# Altium PCB HIL_RIG_REV_1_2.PcbDoc (part 6 of 14) (continued)
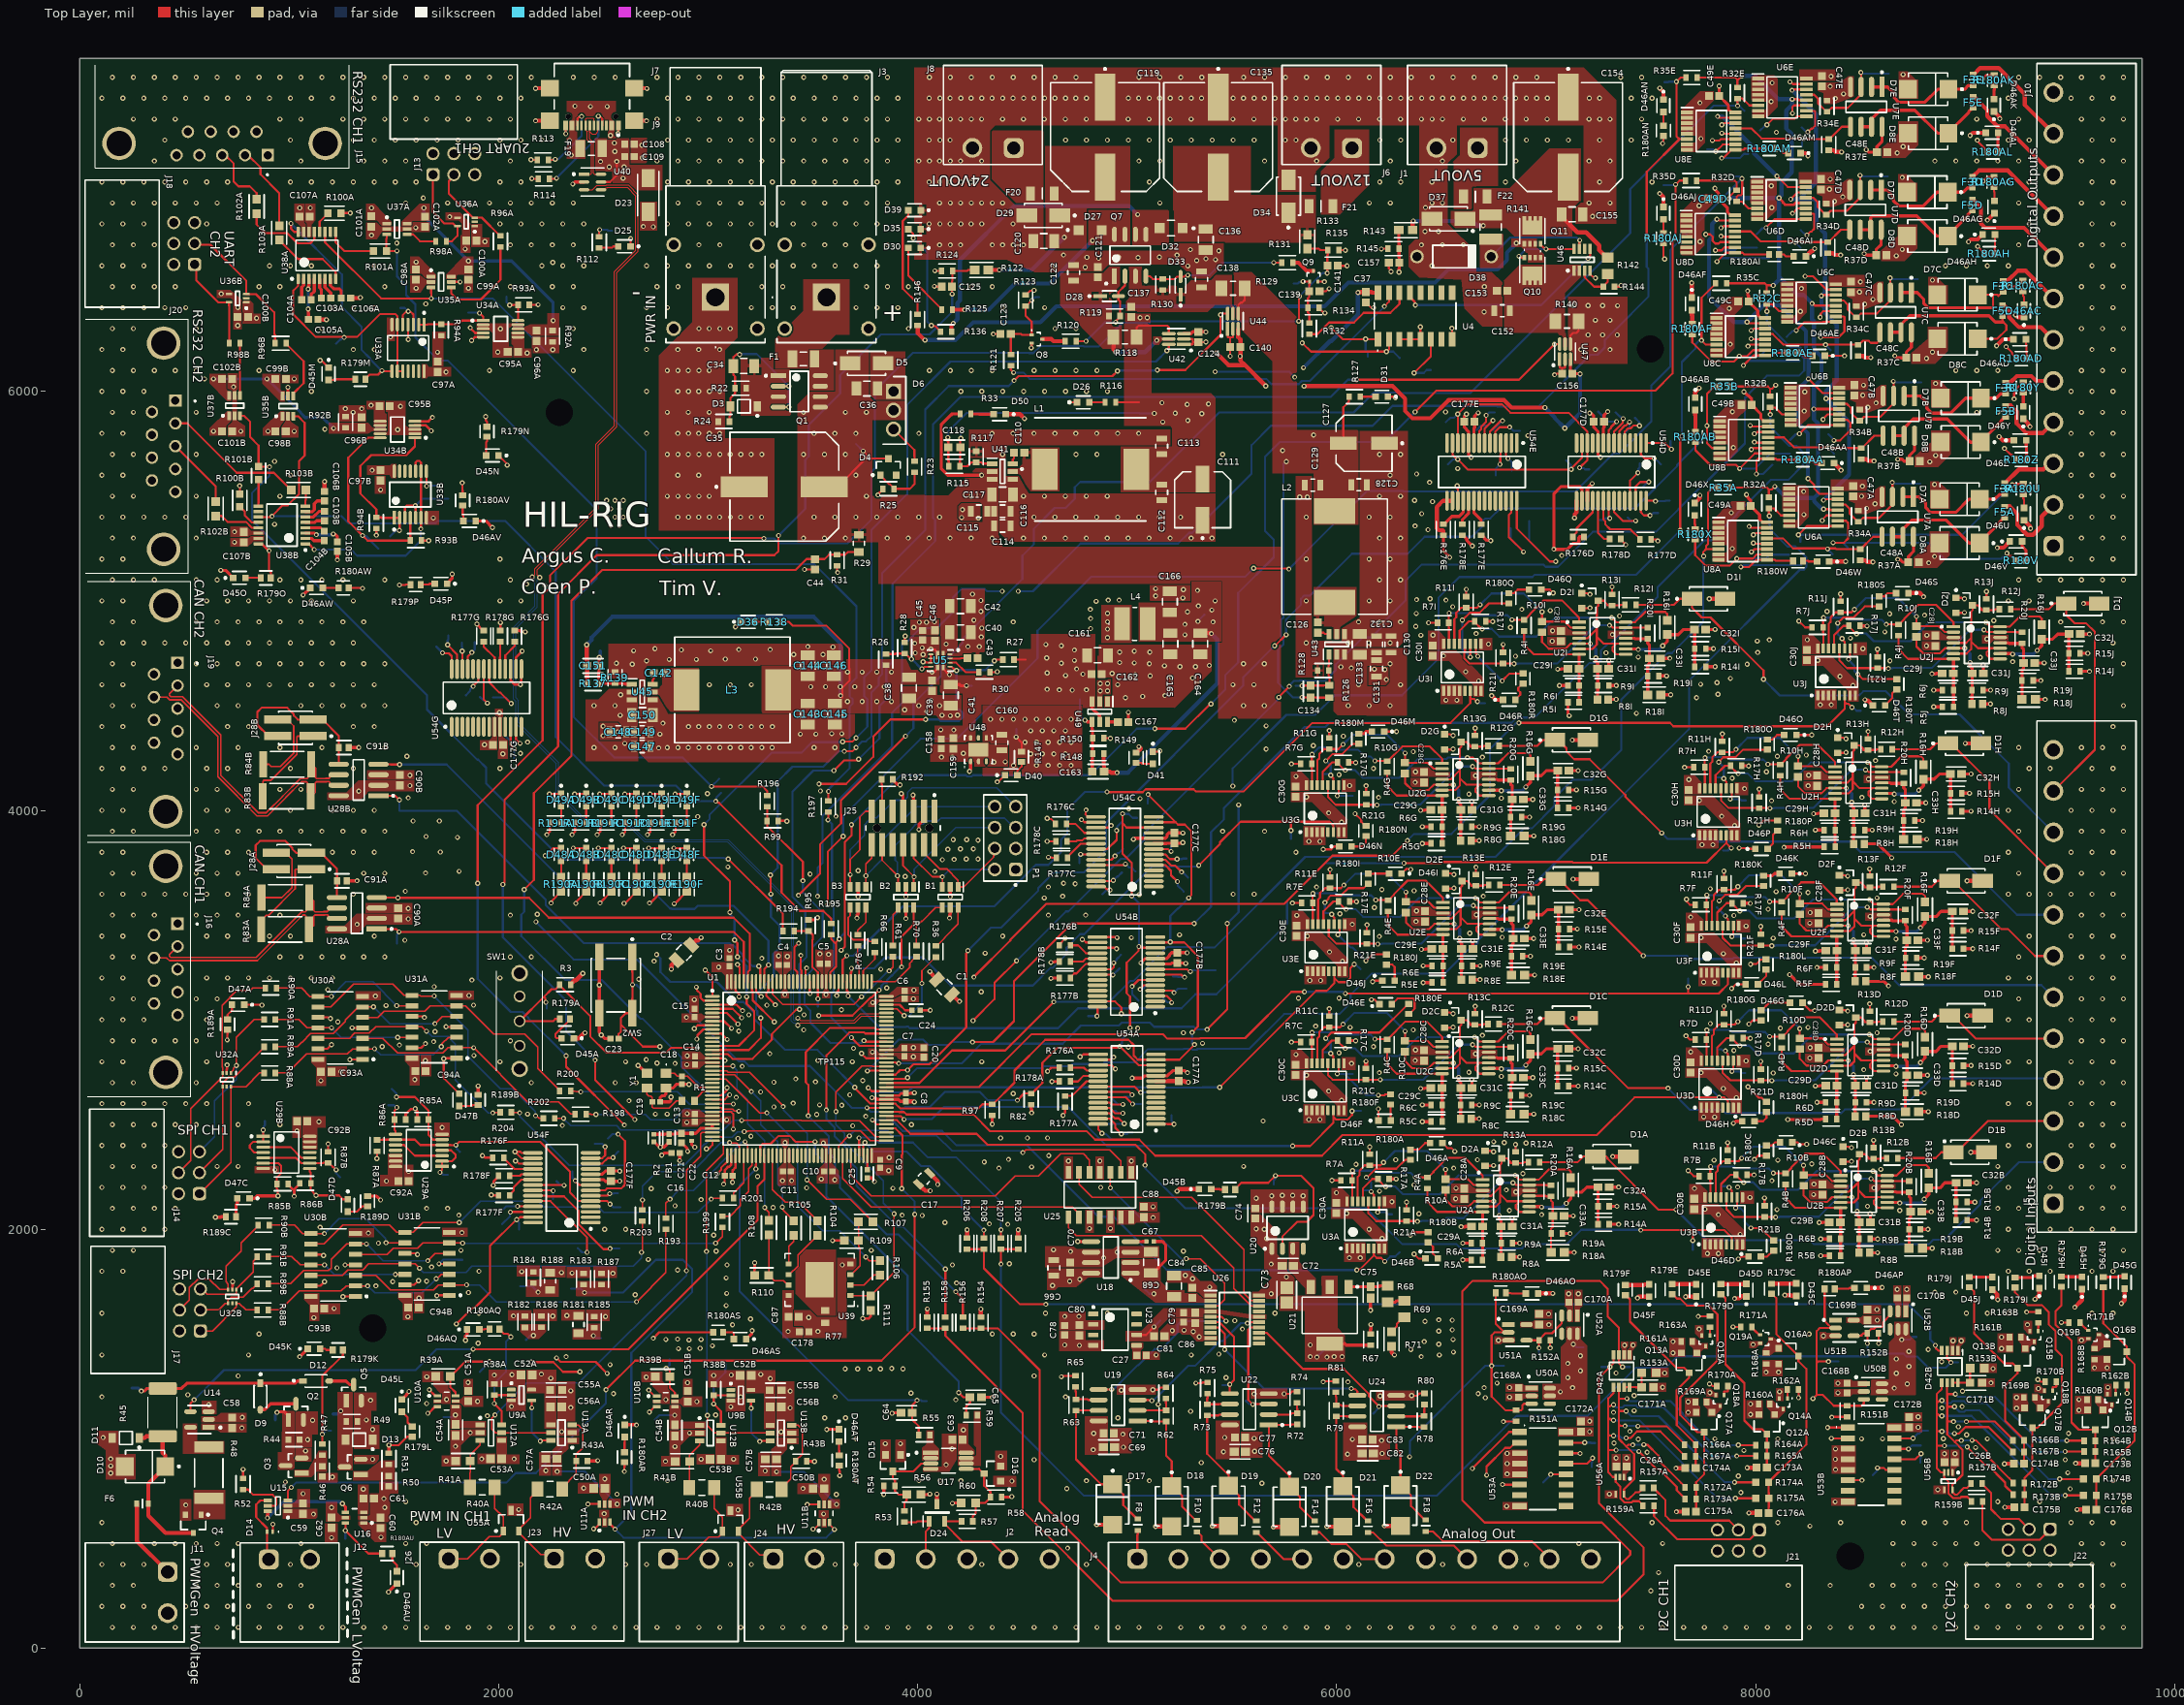
[diagram p0: Top Layer view]
## Nets (pads, with @x,y where several pads share a name; then routed paths per layer and width w, separated by ;. In a path a pad name is that pad's centre, name@x,y a point inside that pad or via, vN(x,y) a via of type N, cw(c..) or ccw(c..) an arc to the next point about the centre after c; other vN are vias at no path point) (continued)
  other v1: 7040,6225
5V_OUT_EN: TP71.1 U4.13 U46.5 | length 1035.9
  Top Layer w10: U4.13@6350,6471.58 6350,6450.91 6373.32,6427.59 6373.32,6414.68 v1(6376,6412) ; v1(7200,6635) 7200,6637.98 7210,6647.98 U46.5@7210,6680
  Bottom Layer w10: v1(6376,6412) 6977,6412 TP71.1@7085,6520 v1(7200,6635)
5V_OUT_shunted: C152.1 C153.2 Q10.5 Q10.6 Q10.7 Q10.8 Q10.9 R140.2 U46.1 U46.2 U47.5
5V_OUT_unfused: C154.2 C155.1 D37.1 F22.1 Q11.5 Q11.6 Q11.7 Q11.8 Q11.9 R141.2 R142.1 R143.2 | length 703.1
  Top Layer w20: R143.2@6362.56,6770 6362.56,6809.48 6366,6812.92 v1(6366,6814) ; C155.1@7074.77,6845 7074.77,6834.14 7149.89,6759.03 7191.15,6759.03 7253.37,6696.8 7253.37,6675.08 7289.08,6639.37 R142.1@7294,6639.37
  Bottom Layer w20: v1@6376,6814 6648.92,6814 6670.92,6792 v1(6700,6792) ; 6660.92,6802 6662,6802
5V_OUT_Volt_ADC: C157.2 R143.1 R145.1 U1.37 | length 7005.3
  Top Layer w10: v1(3043.75,2265.14) 3043.75,2265.73 3061.71,2283.69 3061.71,2293.27 3090.87,2322.42 U1.37@3090.87,2351.95
  Top Layer w15: R143.1@6297.44,6770 6297.44,6706.54 6298,6705.99 R145.1@6298,6682 6298,6641.31 6298.61,6640.7 C157.2@6298.61,6614 6298.61,6587.3 6298,6586.69 v1(6298,6570)
  Int3 (Sign) w10: v1(3043.75,2265.14) 3153.14,2265.14 3587.61,2699.61 3587.61,3204.36 3656.86,3273.61 3664.96,3273.61 3687,3295.64 3687,3316.36 3646.36,3357 3624.64,3357 3610,3342.35 3610,3337.58 3601.76,3329.33 3593.47,3329.33 3587.61,3335.19 3587.61,3458.54 3597,3467.93 3597,3562.36 3587.61,3571.74 3587.61,3923.78 3581.76,3929.64 3561.64,3929.64 3547,3944.29 3547,3965 3561.64,3979.64 3581.76,3979.64 3587.61,3985.5 3587.61,4068.9 3599,4080.29 3599,4101 3587.61,4112.38 3587.61,4157.61 3595,4165 3610.36,4165 3681,4235.64 3681,4500.64 3702.82,4522.47 3702.82,4523.18 3724.64,4545 3745.36,4545 3883,4545 3982,4644 4049.11,4644 4057.86,4635.25 4078.57,4635.25 4143.71,4700.39 4143.71,4721.06 4229.64,4807 4237,4807 4267.86,4837.86 4267.86,4846.14 4208,4906 4208,5244 4239,5275 4265.36,5275 4280,5289.64 4280,5316 4410,5446 5124,5446 5637,5959 5637,6036.36 5651.64,6051 5729,6051 5878.86,6200.86 5941.5,6200.86 6165.64,6425 6177,6425 6298,6546 v1(6298,6570)
5V_OV_detect: R142.2 R144.1 U46.3 | length 208.7
  Top Layer w10: U46.3@7184.41,6576.85 7184.41,6544.84 7229.24,6500 R144.1@7273.36,6500 7273.36,6503.02 7294,6523.66 R142.2@7294,6560.63
5V_RAIL_SMPS_EN: R27.1 TP14.1 U1.10 U5.9 | length 2992.2
  Top Layer w10: U1.10@3020,2934.63 3063.43,2934.63 3063.43,2933.35 v1(3090.75,2906.03) ; v1(3529.19,4125.95) 3657.95,4125.95 3788,4256 3788,4352 3870,4434 v1(4038,4434) ; U5.9@4153.49,4685.72 4161.37,4685.72 4170.39,4676.71 4172.62,4676.71 4181.75,4667.57 v1(4185.54,4667.57) ; v1(4366,4714) 4369.79,4714 4376.04,4720.25 R27.1@4403.69,4720.25
  Int3 (Sign) w10: v1(3090.75,2906.03) 3141.39,2906.03 3198.19,2962.83 3198.19,2990.88 3240.89,3033.58 3328.15,3033.58 3402.94,3108.37 3402.94,3313.02 3390,3325.95 3390,3589.52 3439.48,3639 3464.36,3639 3511,3685.64 3511,4107.76 v1(3529.19,4125.95)
  Bottom Layer w10: v1(4038,4434) 4100.64,4434 4107.64,4427 4197.73,4427 4215.47,4444.74 4215.47,4465.45 4200.83,4480.09 4191.4,4480.09 4185.54,4485.95 v1(4185.54,4667.57) 4187.93,4669.96 4322.93,4669.96 TP14.1@4343.22,4690.25 4366,4713.03 v1(4366,4714)
5V_REGULATED: C38.1 C39.2 C143.1 C144.1 C145.1 C146.1 C151.2 L3.2 R26.1 R137.2 R138.1 R140.1 TP69.1 U5.7 U47.4 | length 2573.4
  Top Layer w10: R138.1@3347.95,4900 3385,4900 3402.5,4882.5 3562.5,4882.5 3673.58,4771.42 3673.58,4676.42 3675,4675 3675,4619.25 3640,4584.25 v1@3640,4540.24 ; C38.1@3953.29,4635.46 C38.1@3958.22,4635.48 ; v1(4068.22,4660.25) 4070.9,4662.93 4081.49,4662.93 4091.56,4673.01 4091.56,4685.8 U5.7@4094.44,4688.68 ; U47.4@7116.06,6225.97 7116.06,6266.98 7127.86,6278.78 7143.32,6278.78 7155.12,6290.58 R140.1@7155.12,6335
  Top Layer w20: v1(2420,4790) 2420,4718.68 2421.82,4716.86 C151.2@2421.82,4690 2421.82,4630.92 2423.75,4628.99 R137.2@2423.75,4605
  Bottom Layer w10: v1(3632,4548) v1@3633,4547
  Bottom Layer w20: v1(2420,4790) 2444,4814 2444,4826 2542,4924 3504,4924 3632,4796 v1(3632,4548)
  other v1: 3665,4520 3735,4520 3805,4520 3875,4520 3490,4590 3560,4590 3630,4590 3700,4590 3770,4590 3840,4590 3665,4660 3735,4660 3805,4660 3875,4660 7165,6200 7235,6200 7305,6200 7200,6270 7270,6270 7340,6270 7235,6340 7305,6340 7340.68,6409.32 7130,6410 7200,6410 7270,6410
5V_SW: C142.1 L3.1 U45.5
12V: C58.2 C66.1 C70.2 C78.1 C80.2 C127.2 C128.1 C129.1 C134.2 L2.2 Q2.2 R44.2 R126.2 R127.1 R129.1 TP66.1 U6A.15 U6B.15 U6C.15 U6D.15 U6E.15 U8A.15 U8B.15 U8C.15 U8D.15 U8E.15 U14.1 U14.3 U18.5 U18.8 U23.2 U44.4 | length 15144.4
  Top Layer w10: U44.4@5530.59,6371.13 5530.59,6412.15 5542.19,6423.75 5548.4,6423.75 5560.98,6436.33 R129.1@5560.98,6492.56 ; v1(5835.47,4540) 5836.45,4539.02 C134.2@5875.47,4539.02 5902.33,4539.02 5903.28,4538.07 R126.2@5965.47,4538.07 ; C127.2@6032.05,5752.6 6032.05,5924.23 6058.83,5951.01 R127.1@6058.83,5975 ; v1(7815,6821.36) 7818.79,6821.36 7824.81,6815.33 U8D.15@7900.67,6815.33 ; v1(7818.89,7312.81) 7822.68,7312.81 7828.7,7306.79 U8E.15@7904.56,7306.79 ; v1(7959,6331.36) 7962.79,6331.36 7968.81,6325.33 U8C.15@8044.67,6325.33 ; v1(7968.98,5355.81) 7972.77,5355.81 7978.8,5349.79 U8A.15@8054.65,5349.79 ; v1(7974.17,5838) 7977.96,5838 7983.99,5831.98 U8B.15@8059.84,5831.98 ; v1(8102,7028) 8153.83,6976.17 U6D.15@8238.9,6976.17 ; v1(8163.89,7477.81) 8167.68,7477.81 8177.86,7467.62 U6E.15@8242.79,7467.62 ; v1(8236,6550) 8274,6550 8337.83,6486.17 U6C.15@8382.9,6486.17 ; v1(8250,5584) 8279.03,5554.97 8279.03,5536.97 8305.38,5510.62 U6A.15@8392.88,5510.62 ; v1(8252,6060) 8319.19,5992.81 U6B.15@8398.07,5992.81
  Top Layer w15: v1(4764,1942) 4775.28,1942 4776.28,1941 U18.5@4827.59,1941
  Int2 (PWR) w15: v1(7818.89,7312.81) 8006.46,7500.38 8103.27,7500.38 8125.84,7477.81 v1(8163.89,7477.81) ; v1(7968.98,5355.81) 8197.17,5584 v1(8250,5584)
  Int2 (PWR) w20: v1(5890,5792) 5890,5800 5990,5900 6329.57,5900 6445.57,6016 7244,6016 7345.04,6117.04 7657.47,6117.04 7819.11,6278.68 7906.33,6278.68 v1(7959,6331.36) 8177.64,6550 v1(8236,6550) ; v1(7815,6821.36) 7883.64,6890 7885.77,6890 8007.2,7011.43 8085.43,7011.43 v1(8102,7028) ; v1(7974.17,5838) 8196.17,6060 v1(8252,6060)
  Int3 (Sign) w20: v1(4130,2032) 4130,2538 4390,2798 4390,3328 4266,3452 3933.57,3452 3850.7,3534.88 3850.7,3632.73 3728,3755.43 3728,4144 3842,4258 3842,4396 3908,4462 3908,4492.43 3925.57,4510 3956,4510 4035.77,4589.77 4196.27,4589.77 4220.79,4565.25 4325.68,4565.25 4548,4787.57 4548,5285.43 4592.57,5330 4628,5330 4640,5342 5384,5342 5741.3,5699.3 5741.3,5717.3 v1(5742,5718)
  Bottom Layer w10: v1(5760,5665) 5758.86,5665 5746,5652.14 TP66.1@5746,5608 5746,4920.63 5734,4908.63 5734,4827.64 5746,4815.64 5746,4792.64 5720,4766.64 5720,4610 5790,4540 v1(5835.47,4540)
  Bottom Layer w20: v1(7815,6821.36) 7792,6798.36 7792,6736.42 7778,6722.42 7778,6450.16 7896.8,6331.36 v1(7959,6331.36) 8039.64,6412 8116.01,6412 8240,6288.01 8240,6203.23 8252.97,6190.26 8252.97,6091.27 8252,6090.3 v1(8252,6060) 8202,6010 8202,5847.83 8250,5799.83 v1(8250,5584) ; v1(7818.89,7312.81) 7841.32,7312.81 7991.81,7162.32 7991.81,7138.19 v1(8102,7028)
  other v1: 1088,996 774,1052 1112,1088 616,1162 2858,1430 2910,1430 2962,1432 3020,1444 2908,1472 2798,1474 2966,1474 2854,1476 4702,1584.36 4770,1584 4644,1732 4726,1752 4774,1762
12V_base: Q3.1 R46.1 R47.1
12V_CB: C126.2 U43.6 | length 55.2
  Top Layer w10: C126.2@5910.47,4847.99 5937.17,4847.99 5937.17,4847.9 5943.26,4841.81 U43.6@5963.07,4841.81
12V_Feedback: C134.1 R126.1 R128.2 TP67.1 U43.1 | length 308.9
  Top Layer w10: v1(5835.47,4595) 5836.65,4596.17 C134.1@5875.47,4596.17 5927.83,4596.17 5936.84,4596.17 5937.79,4597.13 R126.1@5965.47,4597.13 5965.47,4640.25 5962.11,4643.61 R128.2@5962.11,4667.6 5962.11,4691.58 5963.07,4692.54 U43.1@5963.07,4743.39
  Bottom Layer w10: TP67.1@5805.47,4595 v1(5835.47,4595)
12V_gate: Q2.1 Q3.3 R44.1 TP30.1 | length 122
  Top Layer w15: v1(942,1126) 944.31,1128.31 977.96,1128.31 995.95,1110.31 Q2.1@995.95,1090
  Bottom Layer w15: TP30.1@934,1090 934,1115.56 942,1123.56 v1(942,1126)
12V_OUT: F21.2 J6.1
12V_OUT_Collector: Q9.3 R131.2 | length 111.8
  Top Layer w20: R131.2@5794.53,6615 5818.28,6615 5857.78,6575.49 Q9.3@5890,6575.49
12V_OUT_Current_ADC: U1.14 U44.6 | length 5460.7
  Top Layer w10: U1.14@3020,2855.89 3193.89,2855.89 3251.24,2913.24 v1(3251.24,3008.58) ; v1(3297.16,3691.16) 3298.17,3690.15 3298.17,3601.18 v1(3299.19,3600.17) ; v1(3650,4282) 3688,4282 v1(3706,4300) ; v1(4460,6052) 4481.34,6073.34 4929.34,6073.34 v1(4954,6098) ; v1(5144,6102) 5277.36,6102 5445.64,6270.28 v1@5445.64,6365.64 ; v1(5446,6366) 5449.79,6366 5454.93,6371.14 U44.6@5479.43,6371.14
  Bottom Layer w10: v1(3251.24,3008.58) 3235,3024.82 3235,3040.98 3228.15,3047.83 3228.15,3121.59 3313,3206.44 3313,3272.36 3310.94,3274.42 3310.94,3315.02 3340.82,3344.9 3340.82,3449.82 3299.19,3491.45 v1(3299.19,3600.17) ; v1(3297.16,3691.16) 3332,3726 3332,4138 3402.66,4208.66 3549.02,4208.66 3622.36,4282 v1(3650,4282) ; v1(3706,4300) 3735.34,4329.34 3753.34,4329.34 3780,4356 3780,4564.64 3815,4599.64 3815,4634.64 3830,4649.64 3830,5132 4036,5338 4036,5914 4148,6026 4434,6026 v1(4460,6052) ; v1(4954,6098) 4956,6100 5142,6100 v1(5144,6102)
12V_OUT_Drain: D32.2 Q7.5 Q7.6 R136.1 | length 1330.6
  Top Layer w20: R136.1@4161.64,6285 4161.64,6315.56 4170,6323.92 v1(4170,6325)
  Bottom Layer w20: v1(4170,6325) 4190,6345 4190,6422 4202,6434 4202,6627 4460,6885 5009,6885 v1(5050,6844)
12V_OUT_EN: R132.2 U4.14 | length 543.5
  Top Layer w10: R132.2@5870,6273.36 5908,6273.36 5963.64,6329 6082.61,6329 6128.61,6375 6257,6375 6300,6418 U4.14@6300,6471.58
12V_OUT_EN_Filtered: C139.2 Q9.1 R132.1 R134.2 TP68.1 | length 280.3
  Top Layer w10: v1(5840,6525) 5854.81,6525 5855.31,6524.51 Q9.1@5870.31,6524.51 5870.31,6505.62 5869.39,6504.7 C139.2@5869.39,6478 5869.39,6451.3 5863.36,6445.26 R134.2@5863.36,6400 5863.36,6376.01 5870,6369.37 R132.1@5870,6329.53
  Bottom Layer w10: TP68.1@5795,6515 5814.81,6515 5822.13,6522.32 5837.32,6522.32 v1(5840,6525)
12V_OUT_Gate: D33.2 Q7.4 R130.1 R131.1 | length 684
  Top Layer w10: Q7.4@5089.53,6550.17 5109.04,6550.17 5122.57,6536.64 R130.1@5170,6536.64 5226.02,6536.64 5237.7,6548.32 D33.2@5255,6548.32 5272.3,6548.32 5276.3,6552.32 5287.32,6552.32 v1(5290,6555) ; v1(5700,6615) R131.1@5735.47,6615
  Bottom Layer w10: v1(5290,6555) 5393,6555 5453,6615 v1(5700,6615)
12V_OUT_Rectified: C135.2 C136.1 D32.1 D34.1 F21.1 R133.2
12V_OUT_Shunted: C137.2 C138.1 D33.1 Q7.3 R129.2 R130.2 U44.5
12V_OUT_Volt_ADC: C141.2 R133.1 R135.1 U1.36 | length 8543.2
  Top Layer w10: v1(1900,3652) 1900,4024.64 2210,4334.64 2210,5028.64 2245,5063.64 2245,5121 2424,5300 3264,5300 v1(3266,5298) ; v1(2322,2828) 2322,2776 v1(2600,2498) ; v1(2992,2384) 2994.68,2386.68 3004.68,2386.68 3020,2402 U1.36@3020,2422.82 ; v1(5819.44,6335.02) 5819.44,6451.44 v1(5822,6454) ; R133.1@5860,6682.44 5914.28,6682.44 5921.72,6675 R135.1@5955,6675 ; v1(5955,6565) 5955.79,6565.79 C141.2@5955.79,6600 5955.79,6648.92 5957.89,6651.01 R135.1@5957.89,6675
  Int3 (Sign) w10: v1(2600,2498) 2676,2422 2954,2422 v1(2992,2384)
  Bottom Layer w10: v1(1900,3652) 1900,3196 2058,3038 2113.98,3038 2141,3010.98 2141,3009 v1(2322,2828) ; v1(3266,5298) 3314.64,5298 3337.64,5275 3665.36,5275 3780,5389.64 3780,5617.02 3796,5633.02 3796,6002.18 3977.82,6184 4530.64,6184 4531.64,6183 4552.36,6183 4585.36,6216 4792.64,6216 4793.64,6215 4865.36,6215 4978.36,6328 5050.64,6328 5051.64,6327 5072.36,6327 5073.36,6328 5084.64,6328 5085.64,6327 5106.36,6327 5114.38,6335.02 v1(5819.44,6335.02) ; v1(5822,6454) 5933,6565 v1(5955,6565)
12V_schottkey: D9.2 Q2.3 | length 181.5
  Top Layer w15: D9.2@862,1138.99 883.04,1138.99 910.95,1166.91 Q2.3@1031.98,1166.91
12V_SW: C126.1 L2.1 U43.5
24V: C47A.2 C47B.2 C47C.2 C47D.2 C47E.2 C48A.1 C48B.1 C48C.1 C48D.1 C48E.1 C49A.2 C49B.2 C49C.2 C49D.2 C49E.2 C74.1 C111.2 C112.1 C113.1 C118.2 D13.1 L1.2 Q5.2 R49.2 R115.2 R116.1 R118.1 TP63.1 U6A.11 U6A.16 U6B.11 U6B.16 U6C.11 U6C.16 U6D.11 U6D.16 U6E.11 U6E.16 U7A.8 U7B.8 U7C.8 U7D.8 U7E.8 U8A.11 U8A.16 U8B.11 U8B.16 U8C.11 U8C.16 U8D.11 U8D.16 U8E.11 U8E.16 U20.5 U20.6 U20.7 U20.8 U42.4 | length 4370.3
  Top Layer w10: v1(4144,5780) 4144,5762.29 4146.42,5759.87 C118.2@4146.42,5733 4146.42,5668.92 4148.36,5666.99 R115.2@4148.36,5643 ; R116.1@4952.56,5948 5056.83,5948 ; R118.1@5045.12,6260 5045.12,6304.42 5053.92,6313.22 5192.92,6313.22 5198.78,6307.36 U42.4@5198.78,6276.06 ; v1(7762,6750) 7784,6750 7794.82,6739.18 7794.82,6719.18 7807.64,6706.36 7823.79,6706.36 7830.4,6712.97 U8D.11@7900.67,6712.97 ; v1(7794,7198) 7794.19,7197.81 7827.68,7197.81 7834.29,7204.42 U8E.11@7904.56,7204.43 ; v1(7964,6216.36) 7967.79,6216.36 7974.4,6222.97 U8C.11@8044.67,6222.97 ; v1(7979.17,5723) 7982.96,5723 7989.58,5729.61 U8B.11@8059.84,5729.61 ; v1(7980,5234) 7981.43,5234 7994.86,5247.42 U8A.11@8054.65,5247.43 ; v1(8176,6850) 8199.81,6873.81 U6D.11@8238.9,6873.81 ; v1(8176,7328) 8176,7359.4 8181.86,7365.26 U6E.11@8242.79,7365.26 ; v1(8308,6354) 8310.68,6356.68 8310.68,6371.04 8323.45,6383.81 U6C.11@8382.9,6383.81 ; v1(8318,5384) 8318,5387.27 8338.99,5408.26 U6A.11@8392.88,5408.26 ; v1(8322,5866) 8322,5869.65 8342.8,5890.45 U6B.11@8398.07,5890.45
  Top Layer w15: v1(7806,6970) 7806,6962.24 7822.4,6945.84 C49D.2@7822.4,6919.14 7865.98,6875.57 7865.98,6855.44 7880.49,6840.92 U8D.16@7900.67,6840.92 ; v1(7826,7458) 7826,7437.59 7826.29,7437.3 C49E.2@7826.29,7410.6 7869.87,7367.02 7869.87,7346.89 7884.38,7332.38 U8E.16@7904.56,7332.38 ; v1(7944,5998) 7946.06,5998 7981.58,5962.49 C49B.2@7981.58,5935.78 8025.15,5892.21 8025.15,5872.08 8039.67,5857.57 U8B.16@8059.84,5857.57 ; v1(7956,5508) 7956,5500.68 7976.39,5480.3 C49A.2@7976.39,5453.6 8019.96,5410.02 8019.96,5389.89 8034.48,5375.38 U8A.16@8054.65,5375.38 ; v1(7962,6480) 7962.24,6479.76 7962.24,6460 7966.4,6455.84 C49C.2@7966.4,6429.14 8009.98,6385.57 8009.98,6365.44 8024.49,6350.92 U8C.16@8044.67,6350.92 ; v1(8518,6658) 8525.56,6650.44 C48D.1@8575.39,6650.44 8575.39,6677.14 8599.54,6701.28 U7D.8@8599.54,6772.19 ; v1(8528,7154) 8540.11,7141.89 C48E.1@8579.28,7141.89 8579.28,7168.59 8603.42,7192.73 U7E.8@8603.42,7263.64 ; v1(8664,6170) 8673.56,6160.44 C48C.1@8719.39,6160.44 8719.39,6187.14 8743.54,6211.28 U7C.8@8743.54,6282.19 ; v1(8678,5198) 8689.57,5198 8702.68,5184.89 C48A.1@8729.38,5184.89 8729.38,5211.59 8753.52,5235.73 U7A.8@8753.52,5306.64 ; v1(8678,5676) 8698.95,5676 8707.87,5667.08 C48B.1@8734.57,5667.08 8734.57,5693.78 8758.71,5717.92 U7B.8@8758.71,5788.83
  Bottom Layer w10: v1(4144,5780) 4144,5807 4235,5898 5058.19,5898 5061.19,5895 TP63.1@5090,5895 v1(5130,5895)
  other v1: 1398,1044 1368,1090 1388,1184 6404,1392 6490,1400 6558,1414 6354,1426 6488,1452 6418,1464 6556,1474 6488,1514 6552,1520 6422,1560 6552,1566 6488,1568 5616,2148 5690,2160 5840,2160 5740,2162 5790,2162 8510.14,5547.56 5170,5854 5290,5862 5356,5894 5230,5896 5286,5938 5388,5940 5166,5946 8515.33,6029.75 8500.16,6523.11 8356.16,7013.11 8360.05,7504.56
24V_base: Q6.1 R50.1 R51.1
24V_CB: C110.2 U41.6 | length 55.2
  Top Layer w10: U41.6@4454.21,5655.4 4454.21,5675.22 4460.3,5681.3 4460.39,5681.3 C110.2@4460.39,5708
24V_Feedback: C118.1 R115.1 R117.2 TP64.1 U41.1 | length 331.4
  Top Layer w10: v1(4206,5776) 4203.58,5773.58 C118.1@4203.58,5733 4203.58,5668.92 4201.64,5666.99 R115.1@4201.64,5643 4237.66,5643 4256.01,5661.36 R117.2@4280,5661.36 4303.99,5661.36 4309.94,5655.4 U41.1@4355.79,5655.4
  Bottom Layer w10: TP64.1@4205,5808 4205,5777 v1(4206,5776)
24V_gate: D13.2 Q5.1 Q6.3 R49.1 TP31.1 | length 42.2
  Bottom Layer w15: TP31.1@1210,1118 1229.81,1118 1244.81,1133 v1(1246,1133)
24V_LED_Anode: D26.2 R116.2 | length 67.9
  Top Layer w10: D26.2@4819.53,5948 R116.2@4887.44,5948
24V_OUT: F20.2 J8.1
24V_OUT_Collector: Q8.3 R120.2 | length 112.5
  Top Layer w20: Q8.3@4595.49,6250 4638,6250 4648,6240 R120.2@4703.83,6240
24V_OUT_Current_ADC: U1.13 U42.6 | length 5304.9
  Top Layer w10: v1(2980,3932) 2980,3784.5 3104,3660.5 v1(3104,3513) ; U1.13@3020,2875.57 3145.57,2875.57 3219,2949 3219,3042.43 3184,3077.43 v1(3184,3110) ; v1(3125.77,3380.88) 3140,3366.64 v1(3140,3300) ; v1(3642,4328) 3688,4328 v1(3706,4346) ; v1(5190,6195) 5190,6198.79 5198.78,6207.56 U42.6@5198.78,6224.92
  Bottom Layer w10: v1(2980,3932) 3006,3958 3006,3978 3303,4275 3444.64,4275 3494.64,4325 3632.36,4325 3632.68,4325.32 3639.32,4325.32 v1(3642,4328) ; v1(3104,3513) 3106.68,3510.32 3106.68,3501.32 3125.77,3482.23 v1(3125.77,3380.88) ; v1(3140,3300) 3184,3256 v1(3184,3110) ; v1(3706,4346) 3760,4400 3760,4530.36 3745,4545.36 3745,4634.64 3780,4669.64 3780,5339.64 3950,5509.64 3950,5936 4157,6143 5138,6143 v1(5190,6195)
24V_OUT_Drain: D27.2 Q7.7 Q7.8 R125.1 | length 799.1
  Top Layer w20: R125.1@4172.56,6390 v1(4225,6390)
  Bottom Layer w20: v1(4225,6390) 4340,6390 4465,6515 4630,6515 v1(4835,6720)
24V_OUT_EN: R121.2 U4.15 | length 2057
  Top Layer w10: R121.2@4445,6120.47 4445,6103 v1(4458,6090) ; v1(6228,6406) 6250,6428 U4.15@6250,6471.58
  Bottom Layer w10: v1(4458,6090) 4505,6090 4535,6060 5663.36,6060 5688.36,6035 5818.82,6035 5833.95,6050.13 5872.13,6050.13 v1(6228,6406)
24V_OUT_EN_Filtered: C123.2 Q8.1 R121.1 R123.2 TP65.1 | length 430.6
  Top Layer w10: 4444.61,6248.3 C123.2@4444.61,6275 4493,6275 4497.31,6270.69 4525.51,6270.69 4526.51,6269.69 Q8.1@4544.51,6269.69 4544.51,6332.23 4515,6361.74 R123.2@4515,6408.36 4518.02,6408.36 4544.37,6434.71 v1(4545.3,6434.71) ; R121.1@4445,6179.53 4445,6247.91
  Bottom Layer w10: v1(4545.3,6434.71) 4560.19,6449.59 4560.19,6450 TP65.1@4580,6450
24V_OUT_Gate: D28.2 Q7.2 R119.1 R120.1 | length 467.7
  Top Layer w10: R120.1@4757.11,6240 v1(4804,6240) ; v1(4945,6330) 4947.68,6332.68 4947.68,6338.02 R119.1@4966.64,6356.98 ; R119.1@4966.64,6360 4966.64,6429.38 4958.32,6437.7 D28.2@4958.32,6455 4958.32,6474.84 4989.53,6506.05 Q7.2@4989.53,6550.17
  Bottom Layer w10: v1(4804,6240) 4894,6330 v1(4945,6330)
24V_OUT_Rectified: C119.2 C120.1 D27.1 D29.1 F20.1 R122.2 | length 427.1
  Top Layer w20: R122.2@4337.56,6580 v1(4390,6580)
  Bottom Layer w20: v1(4390,6580) 4544,6580 v1(4700,6736)
24V_OUT_Shunted: C121.2 C122.1 D28.1 Q7.1 R118.2 R119.2 U42.5 | length 295.8
  Top Layer w20: R118.2@4934.88,6260 4934.88,6200.2 4946,6189.08 v1(4946,6188)
  Bottom Layer w20: v1(4946,6188) 5086,6188 v1(5142,6244)
24V_OUT_Volt_ADC: C125.2 R122.1 R124.1 U1.29 | length 6605.9
  Top Layer w10: v1(2020,3646) 2020,3649.79 2028,3657.79 2028,4050 2284,4306 2284,5034 2468,5218 3315.73,5218 3336,5238.27 v1(3336,5312) ; v1(2460,2808) 2460,2714 v1(2650,2524) ; U1.29@3020,2560.61 3110.03,2560.61 3120,2550.64 v1(3120,2478) ; v1(4165,6465) 4165,6472.51 4164.21,6473.3 C125.2@4164.21,6500 4164.21,6526.7 4166.64,6529.13 R124.1@4166.64,6575 ; R124.1@4169.53,6575 4236.64,6575 4241.64,6580 R122.1@4272.44,6580
  Int3 (Sign) w10: v1(2650,2524) 2696,2478 v1(3120,2478)
  Bottom Layer w10: v1(2020,3646) 2020,3394 2322,3092 2322,2946 v1(2460,2808) ; v1(3336,5312) 3463.64,5439.64 3463.64,5673.29 3480,5689.64 3480,5840 3630,5990 3630,6078 3824,6272 4057.36,6272 4165,6379.64 v1(4165,6465)
24V_schottkey: D12.2 Q5.3 | length 124.1
  Top Layer w15: D12.2@1191.01,1276 1270.54,1276 1287.64,1258.91 Q5.3@1307.98,1258.91
24V_SW: C110.1 L1.1 U41.5
Analogue_IN_0: D24.1 J2.2 R53.1 | length 305.8
  Top Layer w10: R53.1@3937,602.04 3993.86,602.04 3997.91,606.09 D24.1@4054.6,606.09 4054.6,573.48 4039.15,558.03 J2.2@4039.15,426
Analogue_IN_1: D24.2 J2.4 R57.1 | length 466.2
  Top Layer w10: R57.1@4210,606 4149.3,606 4149.21,606.09 D24.2@4129.4,606.09 4129.4,593.29 4213.7,509 4349.85,509 J2.4@4432.85,426
Analogue_IN_ADC_0: C64.1 R55.2 TP35.1 U1.44 | length 1977.4
  Top Layer w10: v1(3228,2288) 3228,2307.86 3228.66,2308.52 U1.44@3228.66,2351.95 ; v1(3997,1183.68) 3973.65,1160.34 C64.1@3973.65,1123.68 3973.65,1091.65 4005.36,1059.95 R55.2@4005.36,1018.68
  Bottom Layer w10: v1(3228,2288) 3150,2210 3150,1704 3670.32,1183.68 v1(3997,1183.68) 4016.32,1183.68 4020,1180 TP35.1@4042,1180
Analogue_IN_ADC_1: C65.1 R59.2 TP36.1 U1.45 | length 1984.5
  Top Layer w10: U1.45@3248.35,2351.95 3248.35,2395.65 3260.69,2408 3298,2408 3336,2446 3390,2446 3418,2418 v1(3510,2418) ; v1(4196,1220) 4217.32,1198.68 C65.1@4250.35,1198.68 4250.35,1172.73 4232,1154.38 R59.2@4232,1112
  Bottom Layer w10: v1(3510,2418) 3510,2364 3565,2309 3565,2229.64 3564,2228.64 3564,2156.64 3911.14,1809.5 3921.86,1809.5 3952,1779.36 3952,1518 TP36.1@4196,1274 v1(4196,1220)
Analogue_IN_buffered_0: R55.1 U17.1 U17.2
Analogue_IN_buffered_1: R59.1 U17.6 U17.7
Analogue_IN_step_down_0: D15.3 R53.2 R54.2 R56.2 U17.3 | length 439.3
  Top Layer w10: R53.2@3937,655.32 3937,695.28 3947.48,705.76 R56.2@3947.48,733.68 3908.32,733.68 3892,750 R54.2@3892,775.43 3892,799.41 3882,809.41 D15.3@3882,844.31 3980,844.31 4017.73,882.04 U17.3@4062.28,882.04
Analogue_IN_step_down_1: D16.3 R57.2 R58.2 R60.2 U17.5 | length 397.1
  Top Layer w10: U17.5@4231.7,856.49 4292.23,856.49 4292.54,856.8 4315.66,833.68 D16.3@4317.63,833.68 4317.63,778.06 4317.63,776.37 4347.36,746.64 4347.36,718.98 4324.39,696.01 4322.06,693.68 R60.2@4276.52,693.68 4276.52,643.22 4263.28,629.99 R57.2@4263.28,606
AO_22V_LDO_IN: C72.1 U20.3 U21.3
AO_3080_SET: C75.1 R68.1 U21.1 | length 188.7
  Top Layer w15: U21.1@6057.55,1725.58 6135.1,1725.58 6135.14,1725.62 C75.1@6162,1725.62 6202.15,1725.62 6207.46,1730.92 R68.1@6244,1730.92
AO_3080_SET_1M: R68.2 R69.1 | length 82.8
  Top Layer w15: R68.2@6244,1652.18 6280.54,1652.18 6287.28,1658.92 R69.1@6324,1658.92
AO_3080_SET_200k: R69.2 R71.2 | length 98.2
  Top Layer w10: R71.2@6262,1510.52 6262,1511.43 6287.58,1537.01 6287.58,1548.68 6319.08,1580.18 R69.2@6324,1580.18
AO_AMP_0_INV: R63.1 R65.2 U19.6 | length 168.8
  Top Layer w10: R65.2@4754,1247.36 4754,1226.39 4756,1224.39 R63.1@4756,1188.64 4809.96,1188.64 4813.24,1185.36 U19.6@4863.94,1185.36
AO_AMP_0_OUT: D17.1 F8.1 R63.2 U19.7 | length 783.8
  Top Layer w10: U19.7@4863.94,1135.36 R63.2@4756,1135.36 4756,902 4875.36,782.64 4932.97,782.64 4981.15,734.47 4981.15,683.68 5047.06,617.76 F8.1@5051,617.76
AO_AMP_1_INV: R62.1 R64.2 U19.2 | length 192.3
  Top Layer w10: U19.2@5050.06,1135.36 5161.37,1135.36 5162.01,1136 R62.1@5186,1136 5186,1169.75 5185,1170.75 R64.2@5185,1191.72
AO_AMP_1_OUT: D18.1 F10.1 R62.2 U19.1 | length 674.3
  Top Layer w10: U19.1@5050.06,1085.36 5112.64,1085.36 5115.28,1082.72 R62.2@5186,1082.72 5186,920 5213,893 D18.1@5213,774.64 5214.97,774.64 5263.15,726.47 5263.15,675.68 5329.06,609.76 F10.1@5333,609.76
AO_AMP_2_INV: R73.1 R75.2 U22.6 | length 159.9
  Top Layer w10: R75.2@5384,1215.36 5384,1194.39 5382,1192.39 R73.1@5382,1164.64 5438.24,1164.64 5439.24,1165.64 U22.6@5489.94,1165.64
AO_AMP_2_OUT: D19.1 F12.1 R73.2 U22.7 | length 713.9
  Top Layer w10: U22.7@5489.94,1115.64 5439.24,1115.64 5434.96,1111.36 R73.2@5382,1111.36 5382,928.98 5484,826.98 D19.1@5484,776.46 5485.97,776.46 5534.15,728.28 5534.15,685.48 5612.06,607.56 F12.1@5616,607.56
AO_AMP_3_INV: R72.1 R74.2 U22.2 | length 189
  Top Layer w10: U22.2@5676.06,1115.64 5781.66,1115.64 5788.01,1122 R72.1@5812,1122 5812,1142.97 5811,1143.97 R74.2@5811,1172
AO_AMP_3_OUT: D20.1 F14.1 R72.2 U22.1 | length 688.2
  Top Layer w10: R72.2@5812,1068.72 5788.01,1068.72 5784.94,1065.64 U22.1@5676.06,1065.64 5676.06,921.02 5775,822.07 D20.1@5775,771.55 5776.97,771.55 5825.15,723.38 5825.15,674.68 5891.06,608.76 F14.1@5895,608.76
AO_AMP_4_INV: R79.1 R81.2 U24.6 | length 164.6
  Top Layer w10: R81.2@5996,1222 5996,1201.03 5998,1199.03 R79.1@5998,1160.64 6021.99,1160.64 6025.63,1157 U24.6@6098.94,1157
AO_AMP_4_OUT: D21.1 F16.1 R79.2 U24.7 | length 666.2
  Top Layer w10: U24.7@6098.94,1107 6048.24,1107 6047.89,1107.36 R79.2@5998,1107.36 5998,856.16 6030,824.16 D21.1@6030,773.64 6031.97,773.64 6080.15,725.47 6080.15,674.56 6146.06,608.64 F16.1@6150,608.64
AO_AMP_5_INV: R78.1 R80.2 U24.2 | length 189.2
  Top Layer w10: U24.2@6285.06,1107 6392.37,1107 6394.01,1108.64 R78.1@6418,1108.64 6418,1140.39 6420,1142.39 R80.2@6420,1163.36
AO_AMP_5_OUT: D22.1 F18.1 R78.2 U24.1 | length 639.3
  Top Layer w10: R78.2@6418,1055.36 6394.01,1055.36 6392.37,1057 U24.1@6285.06,1057 6285.06,950.94 6305,931 D22.1@6305,777.64 6306.97,777.64 6355.15,729.47 6355.15,678.68 6421.06,612.76 F18.1@6425,612.76
AO_CH0_FUSE: F8.2 J4.1 | length 137.7
  Top Layer w10: J4.1@5048.35,426 5048.35,540.18 5051,542.83 F8.2@5051,562.64
AO_CH1_FUSE: F10.2 J4.3 | length 176.1
  Top Layer w10: F10.2@5333,554.64 5336.94,554.64 5354.4,537.18 5354.4,513.64 J4.3@5442.05,426
AO_CH2_FUSE: F12.2 J4.5 | length 272.1
  Top Layer w10: F12.2@5616,552.44 5619.94,552.44 5746.38,426 J4.5@5835.75,426
AO_CH3_FUSE: F14.2 J4.7 | length 387.3
  Top Layer w10: F14.2@5895,553.64 5918.75,553.64 5974.49,497.9 6045.89,497.9 6117.8,426 J4.7@6229.45,426
AO_CH4_FUSE: F16.2 J4.9 | length 526
  Top Layer w10: F16.2@6150,553.52 6173.75,553.52 6237.27,490 6559.15,490 J4.9@6623.15,426
AO_CH5_FUSE: F18.2 J4.11 | length 646.4
  Top Layer w10: F18.2@6425,557.64 6460.36,557.64 6508,510 6932.85,510 J4.11@7016.85,426
AO_EN: R179B.1 TP41.1 TP92A.1 U20.2 U54A.1 | length 1570.1
  Top Layer w10: U54A.1@5137.59,2502.47 5192.84,2502.47 5193.31,2502 v1(5224,2502) ; R179B.1@5515.48,2189.91 5515.48,2192.41 5545.06,2222 5674,2222 v1(5708,2256) 5830,2256 5890,2196 5890,2068 5858,2036 5812,2036 5741,1965 U20.2@5741,1907.61
  Int3 (Sign) w10: v1(5224,2502) 5462,2502 v1(5708,2256)
  Bottom Layer w10: TP92A.1@5212,2544 5212,2517.79 5224,2505.79 v1(5224,2502) ; TP41.1@5700,2214 5700,2233.81 5705.32,2239.13 5705.32,2253.32 v1(5708,2256)
AO_MCU_nCS: U1.64 U25.2 | length 1548.8
  Top Layer w6.12: U1.64@3622.36,2351.95 3622.36,2397.64 3670.72,2446 v1(3674,2446) ; v1(4502,2366) 4502.28,2366 4516.28,2380 4916,2380 4970,2326 U25.2@4970,2272.57
  Bottom Layer w6.12: v1(3674,2446) 3698.94,2470.94 3854.94,2470.94 3878.83,2447.06 4090.94,2447.06 4164,2374 4489.48,2374 4497.48,2366 v1(4502,2366)
AO_MCU_SCK: U1.65 U25.9 | length 1324
  Top Layer w6.12: U1.65@3642.05,2351.95 3642.05,2241.94 3777.99,2106 4738.73,2106 4770,2074.73 U25.9@4770,2058
AO_MCU_SDI: U1.67 U25.5 | length 1427.8
  Top Layer w6.12: U1.67@3681.42,2351.95 3681.42,2256.58 3778,2160 4370,2160 4465,2255 4577,2255 4682,2360 4792,2360 4820,2332 U25.5@4820,2272.57
B+A: D49A.2 R191A.2 | length 80
  Top Layer w10: R191A.2@2298,3940 D49A.2@2298,4020
B+B: D49B.2 R191B.2 | length 80
  Top Layer w10: R191B.2@2418,3940 D49B.2@2418,4020
B+C: D49C.2 R191C.2 | length 80
  Top Layer w10: R191C.2@2538,3940 D49C.2@2538,4020
B+D: D49D.2 R191D.2 | length 80
  Top Layer w10: R191D.2@2658,3940 D49D.2@2658,4020
B+E: D49E.2 R191E.2 | length 80
  Top Layer w10: R191E.2@2778,3940 D49E.2@2778,4020
B+F: D49F.2 R191F.2 | length 80
  Top Layer w10: R191F.2@2898,3940 D49F.2@2898,4020
BOOT0: R3.2 R179A.1 SW1.2 TP1.1 U1.138 | length 2034.6
  Top Layer w10: v1(2225,3084) 2222.32,3086.68 2222.32,3103.68 2216,3110 ; R3.2@2290.45,3168.01 R3.2@2290.45,3164.99 ; R179A.1@2292.35,3003.85 2269.88,3003.85 2260.03,2994 SW1.2@2100,2994 2216,3110 ; v1(2947.45,2865.74) 2821.74,2865.74 2800,2844 2514,2844 2437,2921 2437,3018.44 R3.2@2290.45,3164.99 ; U1.138@3208.98,3182.66 3208.98,3139.23 3212.66,3135.54 3212.66,3093.34 v1(3316,2990) ; 2216,3110 2252.37,3146.37 2271.82,3146.37 R3.2@2290.45,3164.99
  Int3 (Sign) w10: v1(2947.45,2865.74) 3191.74,2865.74 v1(3316,2990)
  Bottom Layer w10: v1(2225,3084) 2225,3080.21 2230,3075.21 TP1.1@2230,3055
C1_MinusA: C104A.2 U38A.4 | length 105.7
  Top Layer w15: C104A.2@1104.64,6438 1104.64,6462.73 1119.7,6477.79 U38A.4@1119.7,6537.44
C1_MinusB: C104B.2 U38B.4 | length 96.6
  Top Layer w15: U38B.4@1077.56,5349.2 1151.28,5349.2 C104B.2@1167.47,5333.01
C1_PlusA: C104A.1 U38A.2 | length 103.2
  Top Layer w15: C104A.1@1059.36,6438 1059.36,6462.73 1060,6463.37 1060,6497.31 1068.51,6505.82 U38A.2@1068.51,6537.44
C1_PlusB: C104B.1 U38B.2 | length 94.2
  Top Layer w15: U38B.2@1077.56,5298.01 1108,5298 1118,5288 1142.47,5288 1142.74,5287.74 C104B.1@1167.47,5287.74
C2_MinusA: C103A.2 U38A.6 | length 102.7
  Top Layer w15: U38A.6@1170.88,6537.44 1170.88,6497.99 1198.14,6470.73 C103A.2@1198.14,6446
C2_MinusB: C103B.2 U38B.6 | length 102.7
  Top Layer w15: U38B.6@1077.56,5400.38 1115.32,5400.38 1142.58,5427.64 C103B.2@1169,5427.64
C2_PlusA: C103A.1 U38A.5 | length 94.6
  Top Layer w15: U38A.5@1145.29,6535.44 1145.29,6494.3 1152.86,6486.72 C103A.1@1152.86,6444